# Altium PCB Middle Row.PcbDoc (part 1 of 2)
Units mm, origin at the board's own origin, x right, y up, seen from the top; angles counter-clockwise.
Board outline 162 x 59 mm, 8 copper layers (Top Layer, Layer 2, Layer 3, Layer 4, Layer 5, Layer 6, Layer 7, Bottom Layer), stack 1.611 mm thick; 22 components, 79 nets, 357 pads, 135 vias.
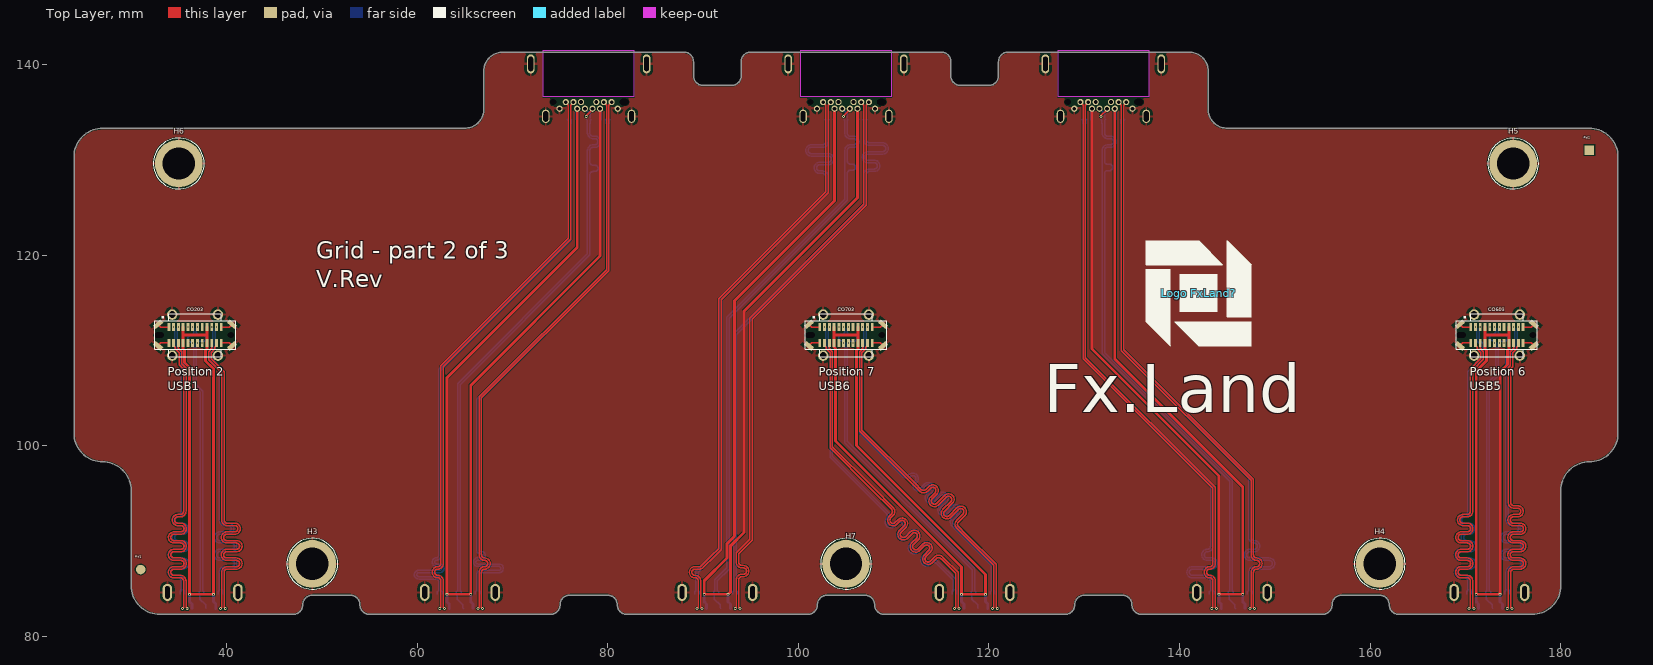
[diagram p0: Top Layer view]
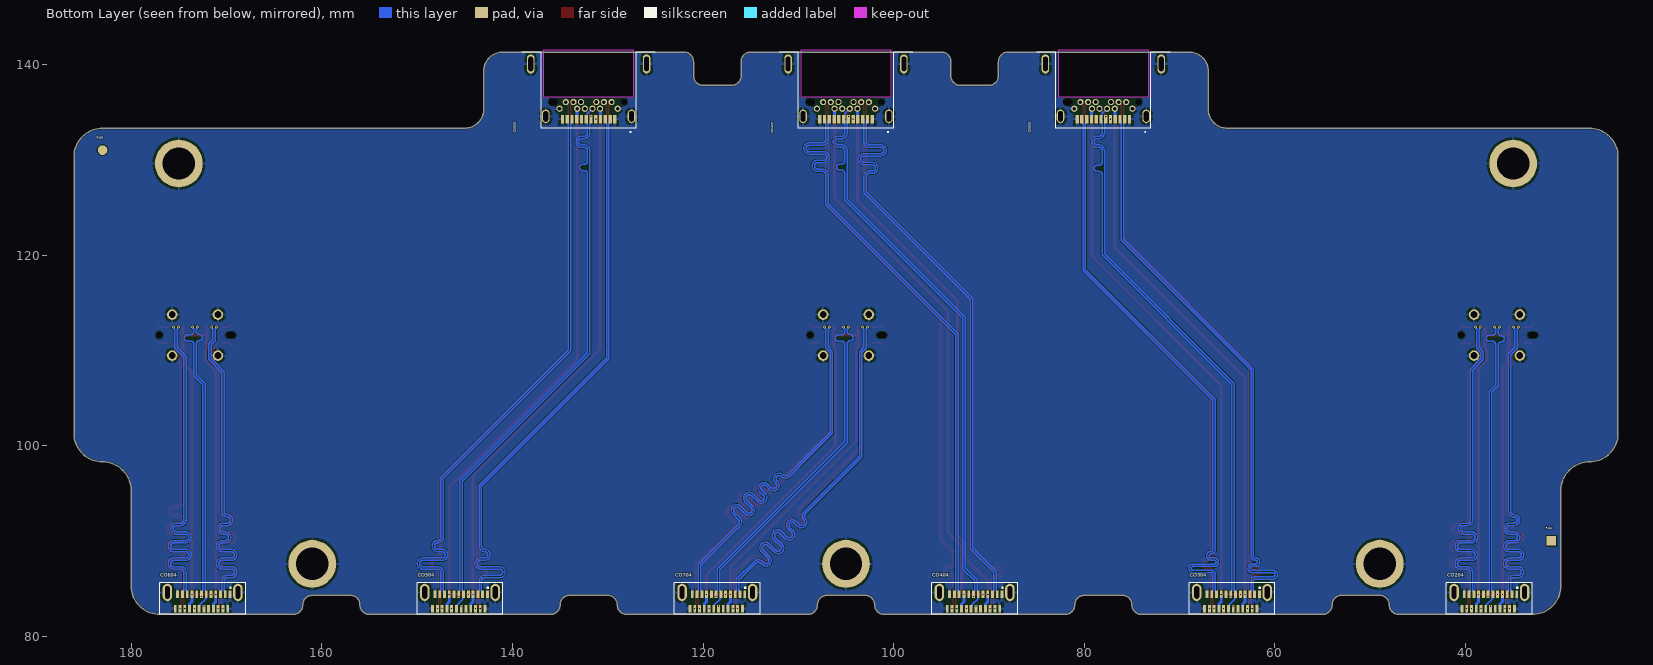
[diagram p1: Bottom Layer view, seen from below]
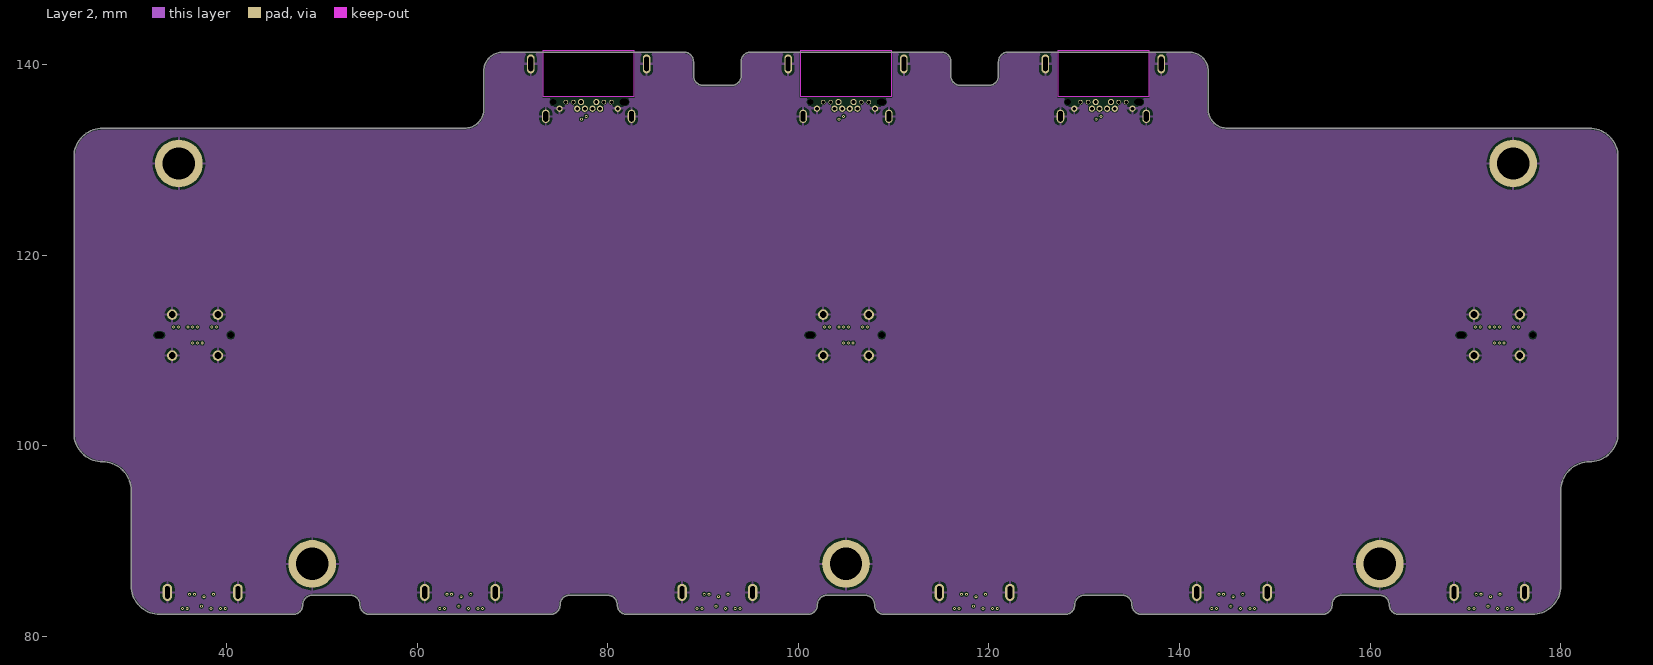
[diagram p2: Layer 2]
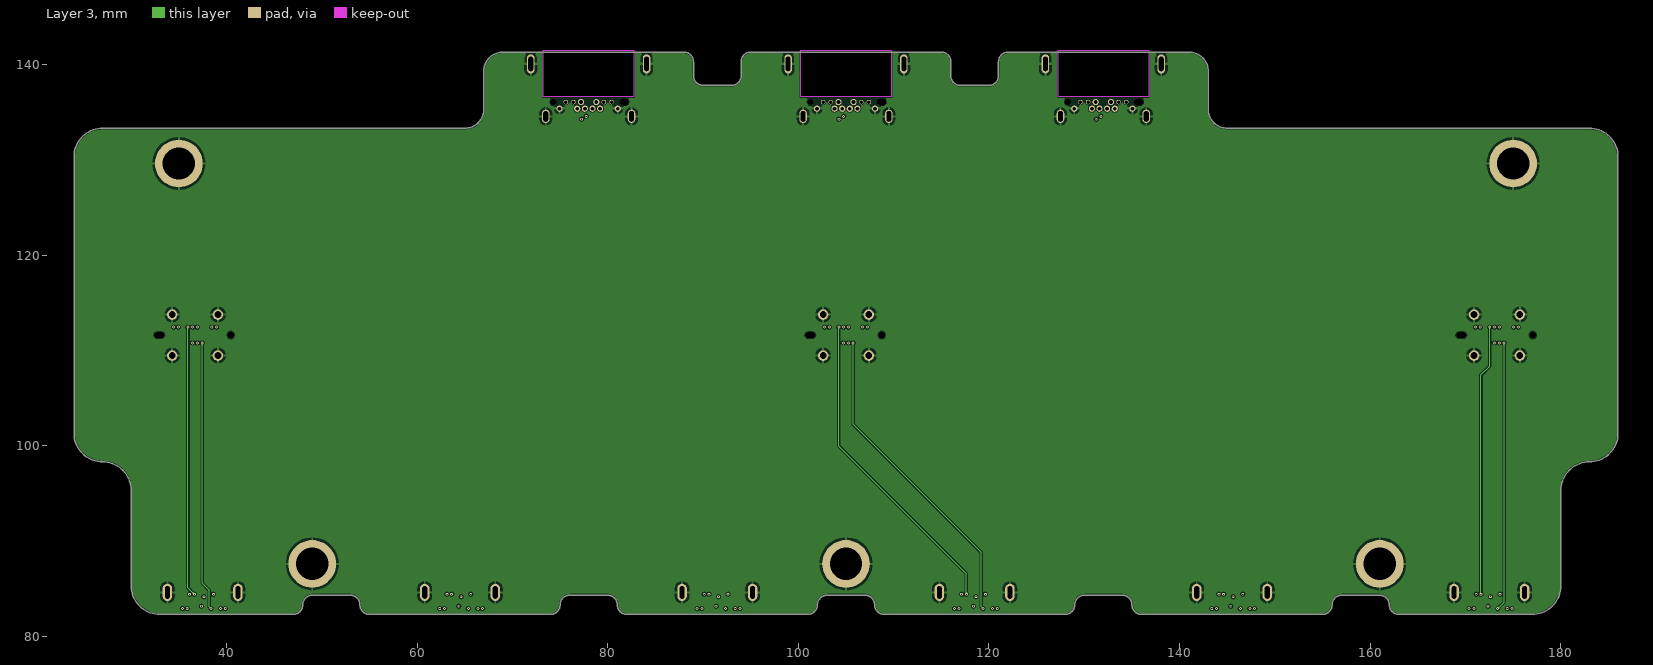
[diagram p3: Layer 3]
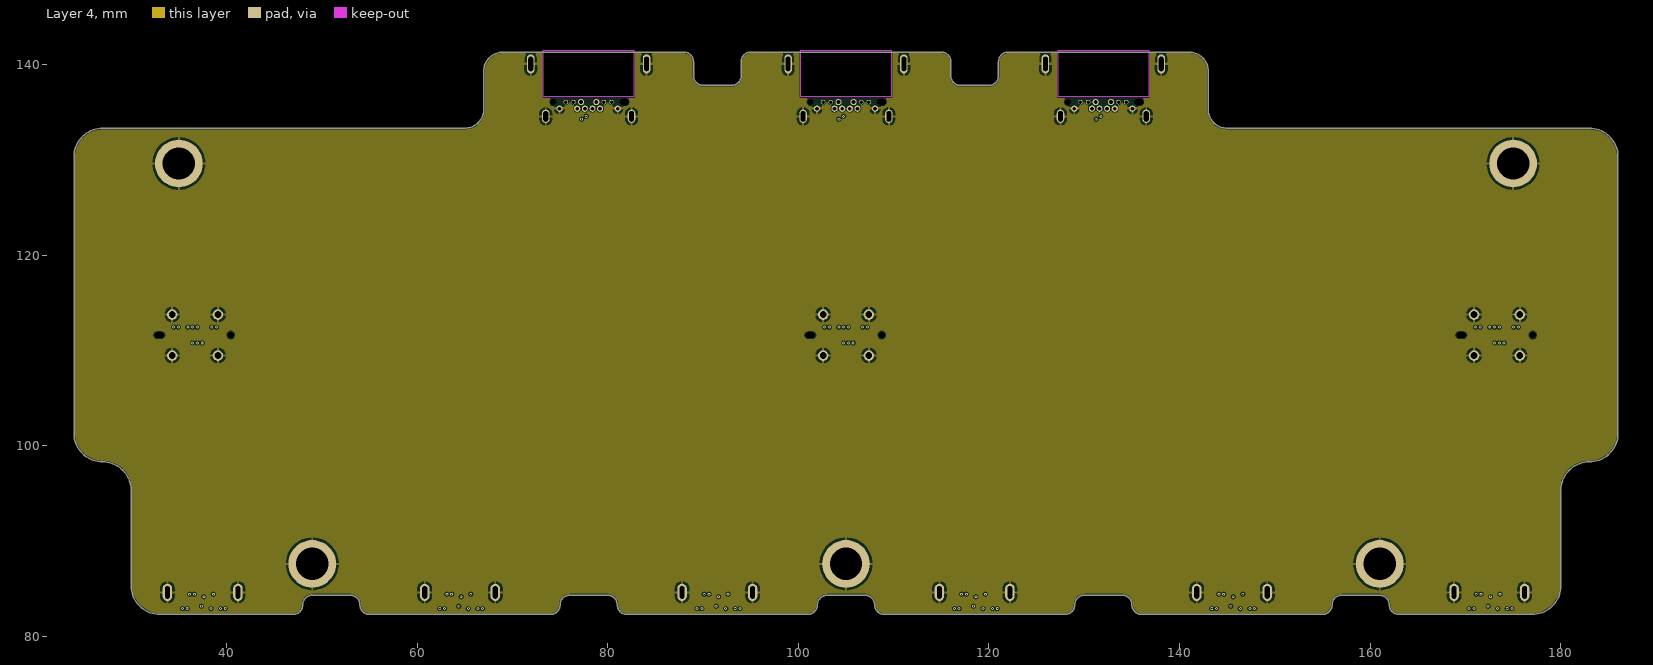
[diagram p4: Layer 4]
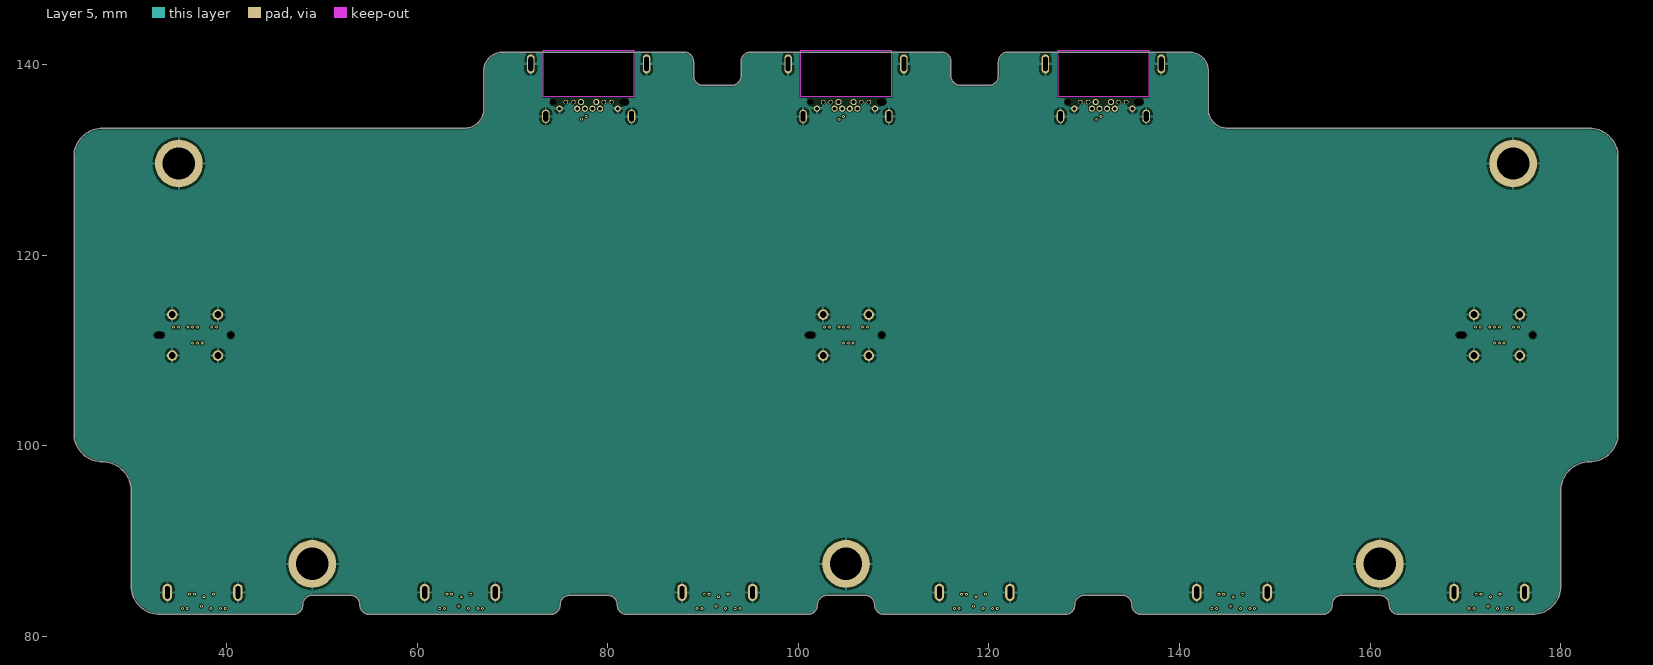
[diagram p5: Layer 5]
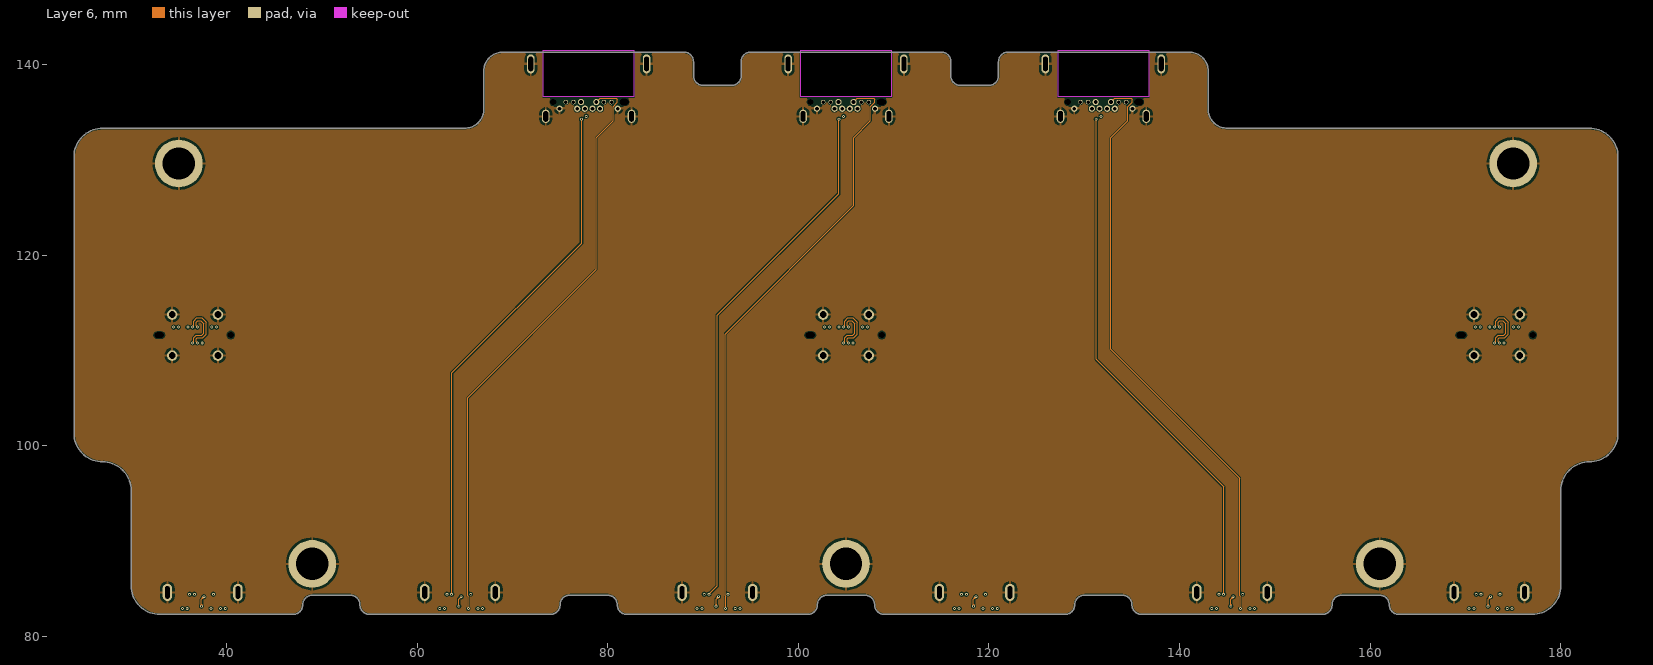
[diagram p6: Layer 6]
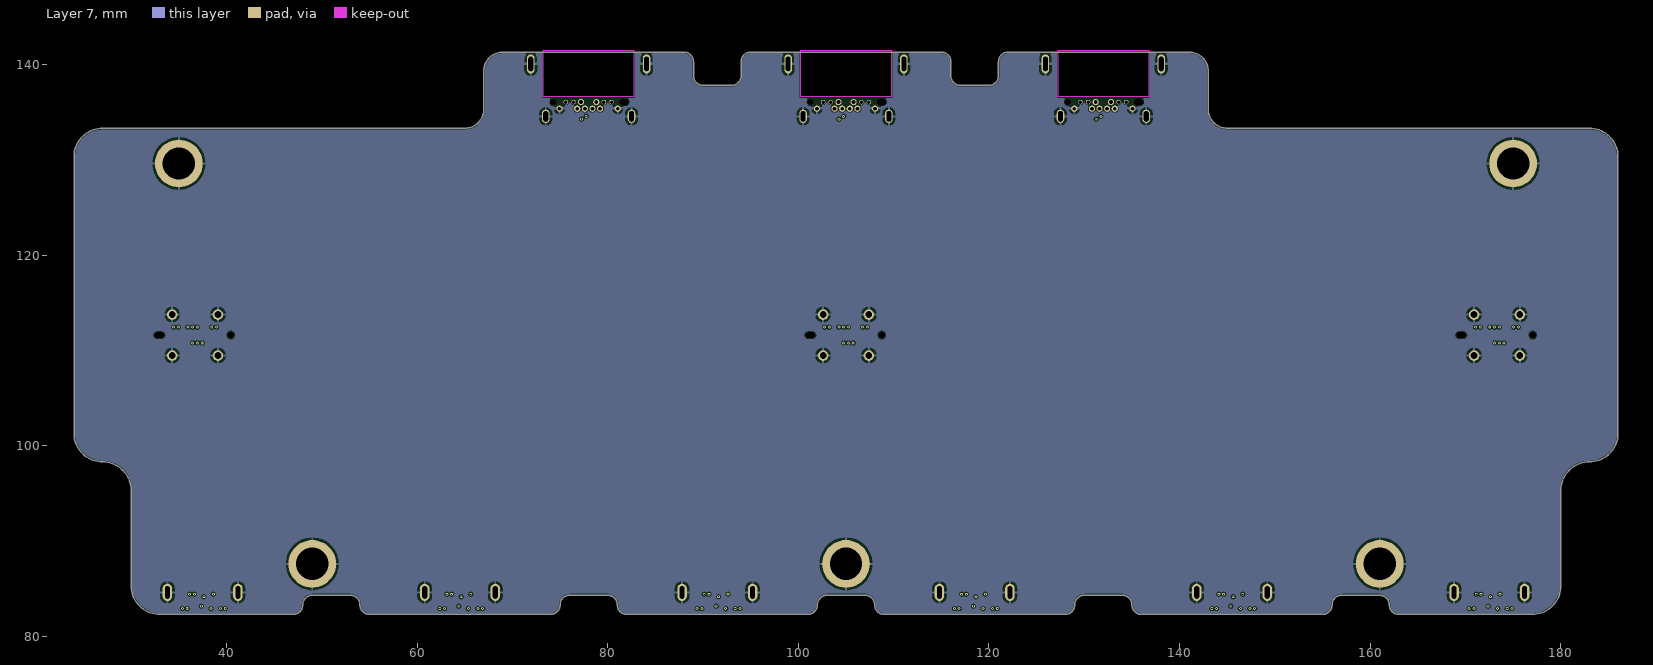
[diagram p7: Layer 7]
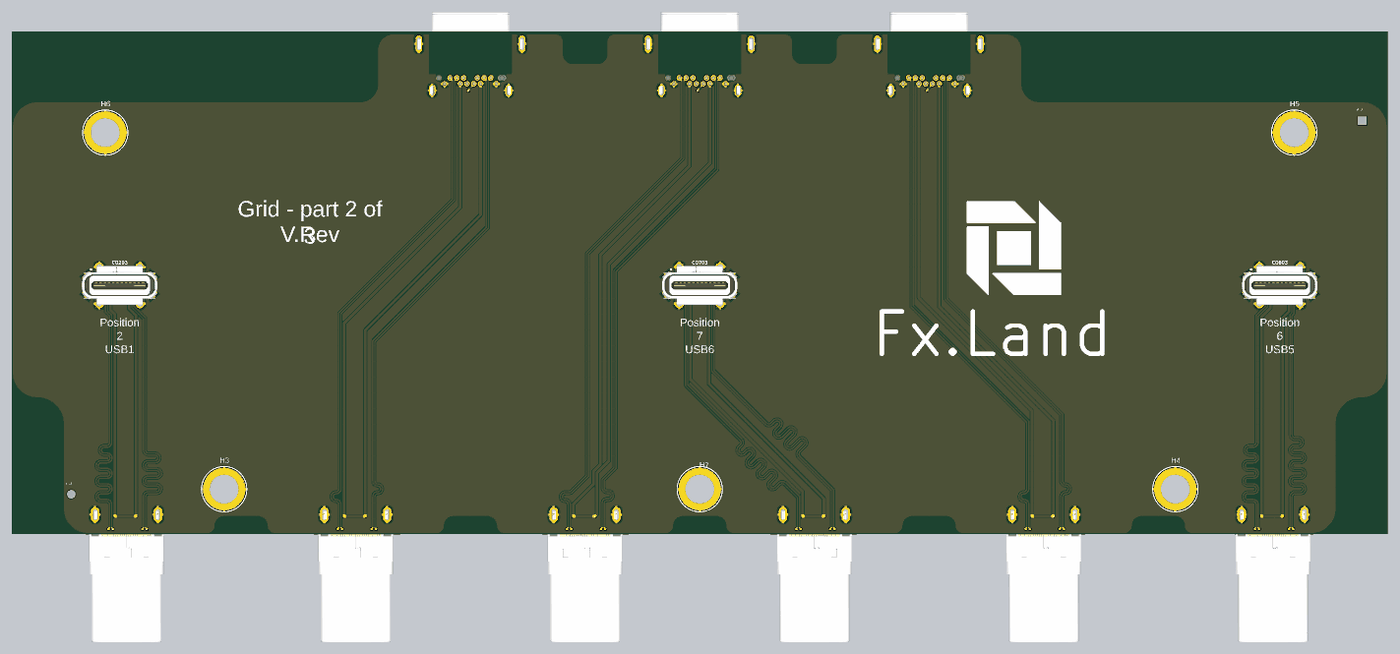
[diagram p9: 3D render of the assembled board from above, using the file's embedded part models]
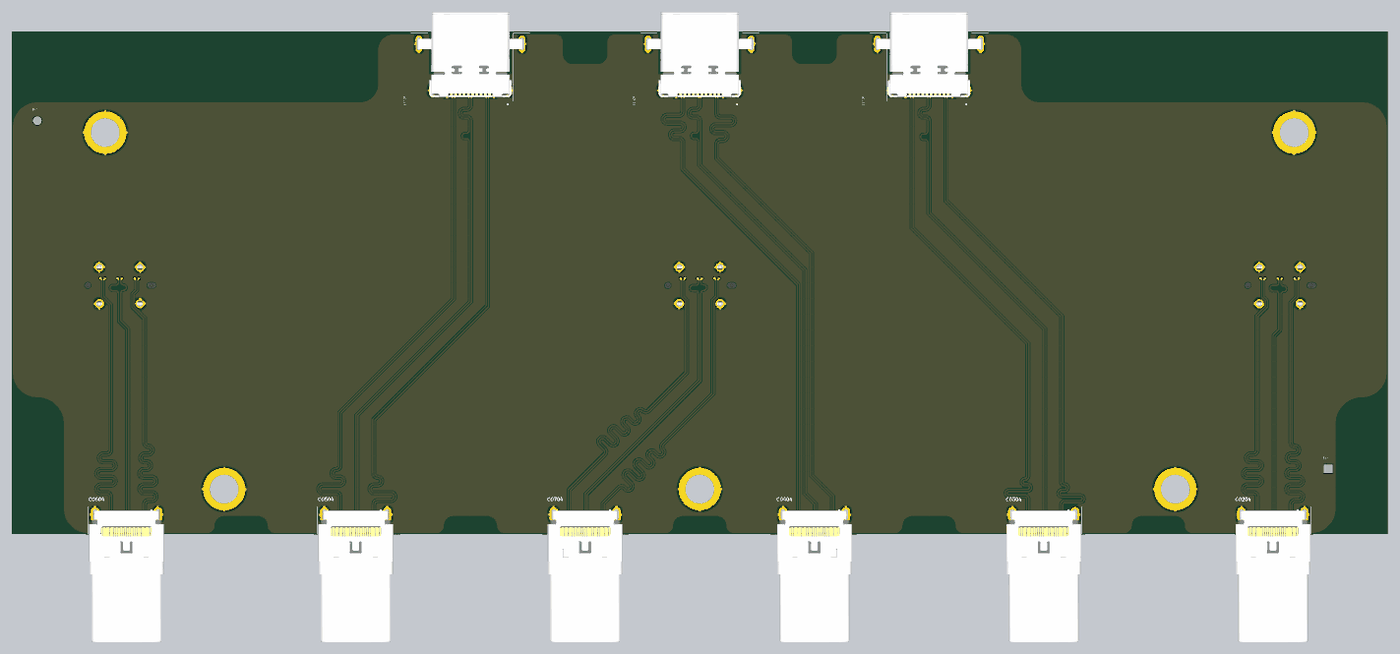
[diagram p10: 3D render of the assembled board from below, using the file's embedded part models]

## Layer stack, top to bottom
Top Solder: solder mask 0.0102, Solder Resist, Dk 3.5
Top Layer: signal copper 0.035
Dielectric 1: prepreg 0.1295, PP-017, Dk 4.3
Layer 2: signal copper 0.018
Dielectric 2: core 0.3048, Core-031, Dk 4.4
Layer 3: signal copper 0.018
Dielectric 3: prepreg 0.1295, PP-017, Dk 4.3
Layer 4: signal copper 0.018
Dielectric 4: core 0.3048, Core-031, Dk 4.4
Layer 5: signal copper 0.018
Dielectric 5: prepreg 0.1295, PP-017, Dk 4.3
Layer 6: signal copper 0.018
Dielectric 6: core 0.3048, Core-031, Dk 4.4
Layer 7: signal copper 0.018
Dielectric 7: prepreg 0.1295, PP-017, Dk 4.3
Bottom Layer: signal copper 0.035
Bottom Solder: solder mask 0.0102, Solder Resist, Dk 3.5

## Board outline
33,82.3 47,82.3 ccw(c47,83.3) 48,83.3 cw(c49,83.3) 49,84.3 53,84.3 cw(c53,83.3) 54,83.3 ccw(c55,83.3) 55,82.3 74,82.3 ccw(c74,83.3) 75,83.3 cw(c76,83.3) 76,84.3 80,84.3 cw(c80,83.3) 81,83.3 ccw(c82,83.3) 82,82.3 101,82.3 ccw(c101,83.3) 102,83.3 cw(c103,83.3) 103,84.3 107,84.3 cw(c107,83.3) 108,83.3 ccw(c109,83.3) 109,82.3 128,82.3 ccw(c128,83.3) 129,83.3 cw(c130,83.3) 130,84.3 134,84.3 cw(c134,83.3) 135,83.3 ccw(c136,83.3) 136,82.3 155,82.3 ccw(c155,83.3) 156,83.3 cw(c157,83.3) 157,84.3 161,84.3 cw(c161,83.3) 162,83.3 ccw(c163,83.3) 163,82.3 177,82.3 ccw(c177,85.3) 180,85.3 180,95.3 cw(c183,95.3) 183,98.3 ccw(c183,101.3) 186,101.3 186,130.3 ccw(c183,130.3) 183,133.3 145,133.3 cw(c145,135.3) 143,135.3 143,139.3 ccw(c141,139.3) 141,141.3 122,141.3 ccw(c122,140.3) 121,140.3 121,138.8 cw(c120,138.8) 120,137.8 117,137.8 cw(c117,138.8) 116,138.8 116,140.3 ccw(c115,140.3) 115,141.3 95,141.3 ccw(c95,140.3) 94,140.3 94,138.8 cw(c93,138.8) 93,137.8 90,137.8 cw(c90,138.8) 89,138.8 89,140.3 ccw(c88,140.3) 88,141.3 69,141.3 ccw(c69,139.3) 67,139.3 67,135.3 cw(c65,135.3) 65,133.3 27,133.3 ccw(c27,130.3) 24,130.3 24,101.3 ccw(c27,101.3) 27,98.3 cw(c27,95.3) 30,95.3 30,85.3 ccw(c33,85.3)

## Design rules (kind name [scope] priority, off if disabled: settings)
BoardOutlineClearance BoardOutlineClearanceText [OnLayer('Top Overlay')   or        OnLayer('Bottom Overlay')] p1: gap=0 ignorepadtopadclearanceinfootprint=FALSE
BoardOutlineClearance [All] p2: gap=0.1 ignorepadtopadclearanceinfootprint=FALSE except(0: Arc-SplitBarrior Arc-SplitContinuation Track-SplitBarrior Track-SplitContinuation SMDPad-SplitBarrior SMDPad-SplitContinuation THPad-SplitBarrior THPad-SplitContinuation Via-SplitBarrior Via-SplitContinuation Fill-SplitBarrior Fill-SplitContinuation Poly-SplitBarrior Poly-SplitContinuation Region-SplitBarrior Region-SplitContinuation Text-SplitBarrior Text-SplitContinuation)
Clearance Clearance_DiffPair [(InDifferentialPairClass('All Differential Pairs'))] p1: gap=0.1 ignorepadtopadclearanceinfootprint=TRUE except(0: Arc-Text Track-Text SMDPad-Text THPad-Text Via-Text Fill-Text Poly-Text Region-Text Text-Text Text-Hole)
Clearance Clearance_HighPWR [InNet('VPWR')  or   InNet('VIN') or InNet('PWR')] p2: gap=0.3 ignorepadtopadclearanceinfootprint=FALSE except(0: Arc-Text Track-Text SMDPad-Text THPad-Text Via-Text Fill-Text Poly-Text Region-Text Text-Text Text-Hole)
Clearance Clearance_MidPWR [InNet('+12V') or InNet('+5V')] p3: gap=0.2 ignorepadtopadclearanceinfootprint=TRUE except(0: Arc-Text Track-Text SMDPad-Text THPad-Text Via-Text Fill-Text Poly-Text Region-Text Text-Text Text-Hole)
Clearance Clearance_LowPWR [InNet('NetC104_1')] p4: gap=0.15 ignorepadtopadclearanceinfootprint=TRUE except(0: Arc-Text Track-Text SMDPad-Text THPad-Text Via-Text Fill-Text Poly-Text Region-Text Text-Text Text-Hole)
Clearance Clearance_DiffNets [All] p5: gap=0.105 ignorepadtopadclearanceinfootprint=TRUE except(0: Arc-Text Track-Text SMDPad-Text THPad-Text Via-Text Fill-Text Poly-Text Region-Text Text-Text Text-Hole)
Clearance Clearance_SameNets [All] p6: gap=0 ignorepadtopadclearanceinfootprint=FALSE
ComponentClearance [All] p1: gap=0 collisioncheckmode=3 verticalgap=0 showdistances=FALSE
DiffPairsRouting DiffPairsRouting_USB3 [InDifferentialPairClass('USB3')] p1: maxlimit=0.35 minlimit=0.1 mostfreqgap=0.17 toplayer_mingap=0.105 toplayer_maxgap=0.105 toplayer_prefgap=0.105 toplayer_minwidth=0.15 toplayer_maxwidth=0.15 toplayer_prefwidth=0.15 midlayer2_mingap=0.17 midlayer2_maxgap=0.17 midlayer2_minwidth=0.125 midlayer2_maxwidth=0.125 midlayer2_prefwidth=0.125 midlayer3_mingap=0.17 midlayer3_maxgap=0.17 midlayer3_minwidth=0.125 midlayer3_maxwidth=0.125 midlayer3_prefwidth=0.125 bottomlayer_mingap=0.105 bottomlayer_maxgap=0.105 bottomlayer_prefgap=0.105 bottomlayer_minwidth=0.15 bottomlayer_maxwidth=0.15 bottomlayer_prefwidth=0.15 impedanceprofiledriven=TRUE impedanceprofileid={6759D886-137E-4B91-9245-95823A6983B5} impedanceprofilevalue=90.000000 filterlayerstackid={976BEA40-2DA4-42A2-9577-73BD5A797D81} maxuncoupledlength=12.7